# Altium PCB H7.PcbDoc (part 2 of 3)
Units mil, origin at the board's own origin, x right, y up, seen from the top; angles counter-clockwise.
Board outline 6496.06 x 3937.01 mil, 2 copper layers (Top Layer, Bottom Layer); 118 components, 150 nets, 635 pads, 5958 vias.
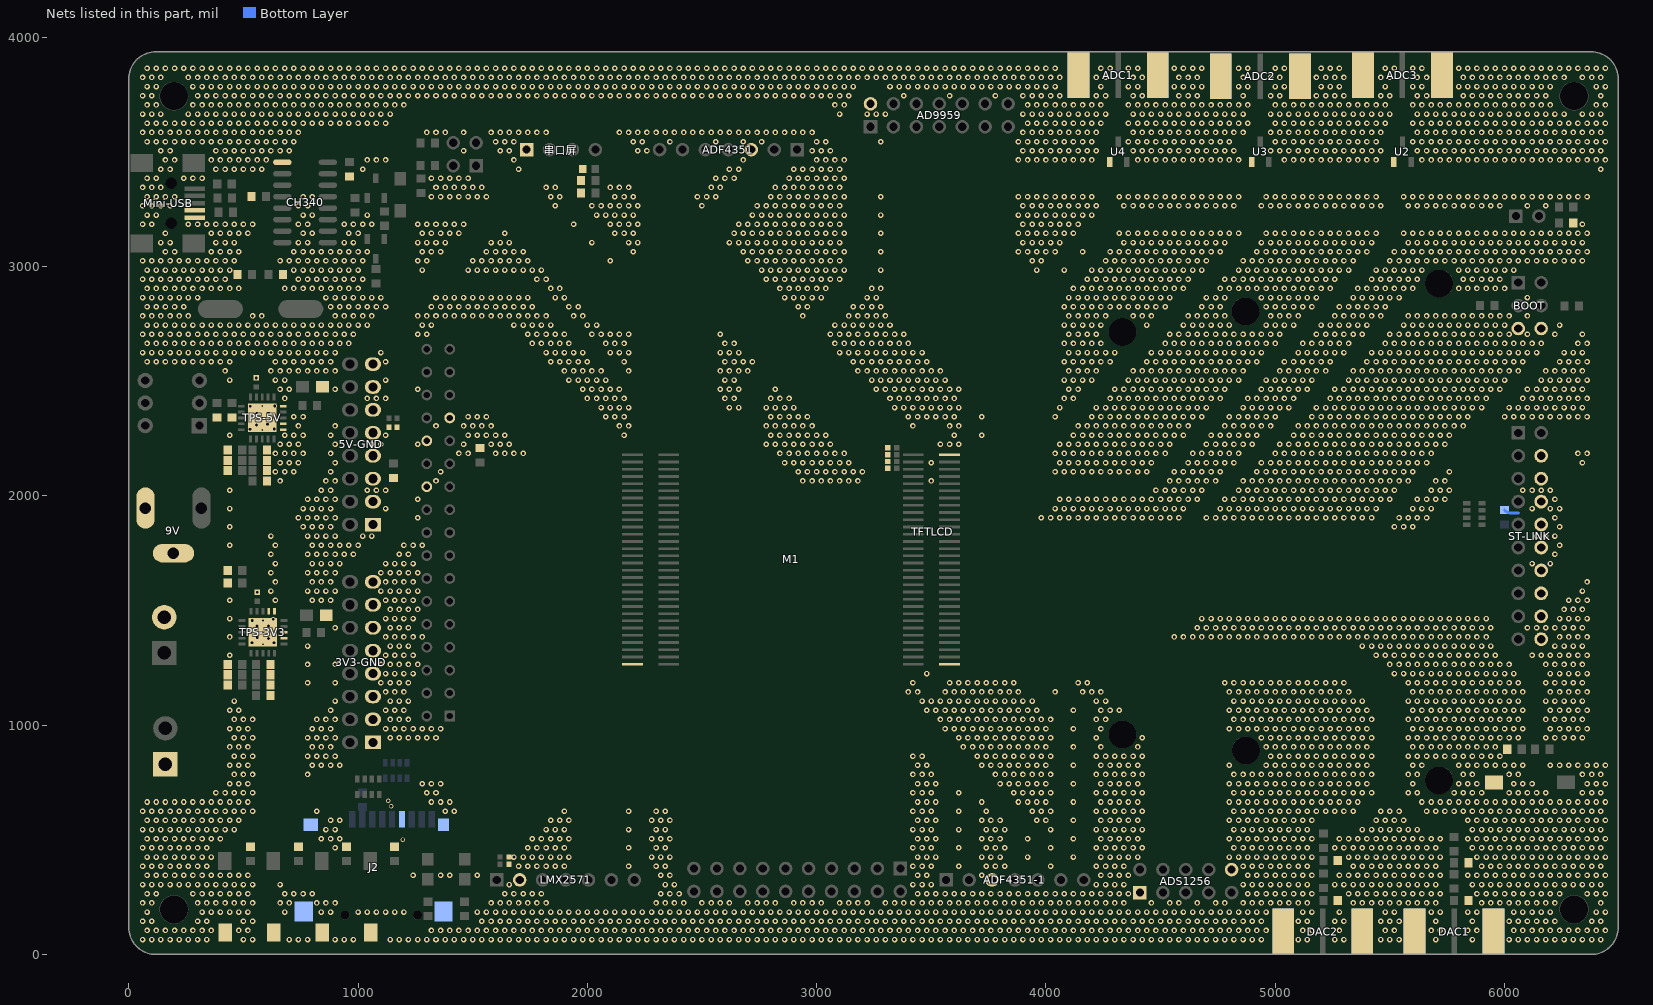
[diagram p2: the nets of this part, all layers, seen from the top]

## Via types
v1: diameter 24, hole 12, Top Layer to Bottom Layer, tented both sides, 5847 vias
v2: diameter 20, hole 12, Top Layer to Bottom Layer, tented both sides, 111 vias

## Nets (pads, with @x,y where several pads share a name; then routed paths per layer and width w, separated by ;. In a path a pad name is that pad's centre, name@x,y a point inside that pad or via, vN(x,y) a via of type N, cw(c..) or ccw(c..) an arc to the next point about the centre after c; other vN are vias at no path point) (continued)
GND: (continued)
  other v1: 60,65 100,65 140,65 180,65 220,65 260,65 300,65 340,65 500,65 540,65 700,65 740,65 780,65 900,65 940,65 980,65 1140,65 1180,65 1220,65 1260,65 1300,65 1340,65 1380,65 1420,65 1460,65 1500,65 1540,65 1580,65 1620,65 1660,65 1700,65 1740,65 1780,65 1820,65 1860,65 1900,65 1940,65 1980,65 2020,65 2060,65 2100,65 2140,65 2180,65 2220,65 2260,65 2300,65 2340,65 2380,65 2420,65 2460,65 2500,65 2540,65 2580,65 2620,65 2660,65 2700,65 2740,65 2780,65 2820,65 2860,65 2900,65 2940,65 2980,65 3020,65 3060,65 3100,65 3140,65 3180,65 3220,65 3260,65 3300,65 3340,65 3380,65 3420,65 3460,65 3500,65 3540,65 3580,65 3620,65 3660,65 3700,65 3740,65 3780,65 3820,65 3860,65 3900,65 3940,65 3980,65 4020,65 4060,65 4100,65 4140,65 4180,65 4220,65 4260,65 4300,65 4340,65 4380,65 4420,65 4460,65 4500,65 4540,65 4580,65 4620,65 4660,65 4700,65 4740,65 4780,65 4820,65 4860,65 4900,65 4940,65 5100,65 5140,65 5260,65 5300,65 5460,65 5500,65 5540,65 5700,65 5860,65 6020,65 6060,65 6100,65 6140,65 6180,65 6220,65 6260,65 6300,65 6340,65 6380,65 6420,65 80,105 120,105 160,105 200,105 240,105 280,105 320,105 360,105 480,105 520,105 1320,105 1360,105 1400,105 1440,105 1480,105 1520,105 1560,105 1600,105 1640,105 1680,105 1720,105 1760,105 1800,105 1840,105 1880,105 1920,105 1960,105 2000,105 2040,105 2080,105 2120,105 2160,105 2200,105 2240,105 2280,105 2320,105 2360,105 2400,105 2440,105 2480,105 2520,105 2560,105 2600,105 2640,105 2680,105 2720,105 2760,105 2800,105 2840,105 2880,105 2920,105 2960,105 3000,105 3040,105 3080,105 3120,105 3160,105 3200,105 3240,105 3280,105 3320,105 3360,105 3400,105 3440,105 3480,105 3520,105 3560,105 3600,105 3640,105 3680,105 3720,105 3760,105 3800,105 3840,105 3880,105 3920,105 3960,105 4000,105 4040,105 4080,105 4120,105 4160,105 4200,105 4240,105 4280,105 4320,105 4360,105 4400,105 4440,105 4480,105 4520,105 4560,105 4600,105 4640,105 4680,105 4720,105 4760,105 4800,105 4840,105 4880,105 4920,105 4960,105 5120,105 5160,105 5280,105 5480,105 5520,105 5680,105 5720,105 5840,105 5880,105 6040,105 6080,105 6120,105 6160,105 6200,105 6240,105 6280,105 6320,105 6360,105 6400,105 6440,105 60,145 100,145 300,145 340,145 500,145 540,145 1540,145 1580,145 1620,145 1660,145 1700,145 1740,145 1780,145 1820,145 1860,145 1900,145 1940,145 1980,145 2020,145 2060,145 2100,145 2140,145 2180,145 2220,145 2260,145 2300,145 2340,145 2380,145 2420,145 2460,145 2500,145 2540,145 2580,145 2620,145 2660,145 2700,145 2740,145 2780,145 2820,145 2860,145 2900,145 2940,145 2980,145 3020,145 3060,145 3100,145 3140,145 3180,145 3220,145 3260,145 3300,145 3340,145 3380,145 3420,145 3460,145 3500,145 3540,145 3580,145 3620,145 3660,145 3700,145 3740,145 3780,145 3820,145 3860,145 3900,145 3940,145 3980,145 4020,145 4060,145 4100,145 4140,145 4180,145 4220,145 4260,145 4300,145 4340,145 4380,145 4420,145 4460,145 4500,145 4540,145 4580,145 4620,145 4660,145 4700,145 4740,145 4780,145 4820,145 4860,145 4900,145 4940,145 5100,145 5140,145 5260,145 5300,145 5460,145 5500,145 5540,145 5700,145 5860,145 6020,145 6060,145 6100,145 6140,145 6180,145 6220,145 6380,145 6420,145 80,185 320,185 360,185 400,185 440,185 480,185 520,185 680,185 840,185 880,185 1000,185 1040,185 1080,185 1120,185 1160,185 1200,185 1520,185 1560,185 1600,185 1640,185 1680,185 1720,185 1760,185 1800,185 1840,185 1880,185 1920,185 1960,185 2000,185 2040,185 2080,185 2120,185 2160,185 2200,185 2240,185 2280,185 2320,185 2360,185 2400,185 2440,185 2480,185 2520,185 2560,185 2600,185 2640,185 2680,185 2720,185 2760,185 2800,185 2840,185 2880,185 2920,185 2960,185 3000,185 3040,185 3080,185 3120,185 3160,185 3200,185 3240,185 3280,185 3320,185 3360,185 3400,185 3440,185 3480,185 3520,185 3560,185 3600,185 3640,185 3680,185 3720,185 3760,185 3800,185 3840,185 3880,185 3920,185 3960,185 4000,185 4040,185 4080,185 4120,185 4160,185 4200,185 4240,185 4280,185 4320,185 4360,185 4400,185 4440,185 4480,185 4520,185 4560,185 4600,185 4640,185 4680,185 4720,185 4760,185 4800,185 4840,185 4880,185 4920,185 4960,185 5120,185 5160,185 5280,185 5480,185 5520,185 5680,185 5720,185 5840,185 5880,185 6040,185 6080,185 6120,185 6160,185 6200,185 6400,185 6440,185 60,225 100,225 300,225 340,225 380,225 420,225 460,225 500,225 540,225 660,225 700,225 820,225 860,225 900,225 1580,225 1620,225 1660,225 1700,225 1740,225 1780,225 1820,225 2300,225 2340,225 2380,225 2420,225 2500,225 2540,225 2580,225 2620,225 2700,225 2740,225 2780,225 2820,225 2900,225 2940,225 2980,225 3020,225 3100,225 3140,225 3180,225 3220,225 3300,225 3340,225 3380,225 3420,225 3460,225 3500,225 3540,225 3580,225 3620,225 3660,225 3700,225 3740,225 3780,225 3820,225 3860,225 3900,225 3940,225 3980,225 4020,225 4060,225 4100,225 4140,225 4180,225 4220,225 4260,225 4300,225 4340,225 4460,225 4540,225 4580,225 4660,225 4740,225 4780,225 4860,225 4900,225 4940,225 4980,225 5020,225 5060,225 5100,225 5140,225 5340,225 5380,225 5420,225 5460,225 5500,225 5540,225 5580,225 5620,225 5660,225 5700,225 5900,225 5940,225 5980,225 6020,225 6060,225 6100,225 6140,225 6180,225 6220,225 6420,225 80,265 120,265 280,265 320,265 360,265 400,265 440,265 480,265 520,265 680,265 720,265 760,265 800,265 1640,265 1680,265 1720,265 1760,265 1800,265 2320,265 2360,265 2400,265 3440,265 3480,265 3520,265 3560,265 3600,265 3640,265 3680,265 3720,265 3760,265 3800,265 3840,265 3880,265 3920,265 3960,265 4000,265 4040,265 4080,265 4120,265 4160,265 4200,265 4240,265 4280,265 4320,265 4360,265 4880,265 4920,265 4960,265 5000,265 5040,265 5080,265 5120,265 5160,265 5320,265 5360,265 5400,265 5440,265 5480,265 5520,265 5560,265 5600,265 5640,265 5680,265 5720,265 5880,265 5920,265 5960,265 6000,265 6040,265 6080,265 6120,265 6160,265 6200,265 6240,265 6360,265 6400,265 6440,265 60,305 100,305 140,305 180,305 220,305 260,305 300,305 340,305 380,305 420,305 460,305 500,305 540,305 660,305 1660,305 2340,305 2380,305 3420,305 3460,305 3500,305 4220,305 4260,305 4300,305 4340,305 4860,305 4900,305 4940,305 4980,305 5020,305 5060,305 5100,305 5140,305 5260,305 5300,305 5340,305 5380,305 5420,305 5460,305 5500,305 5540,305 5580,305 5620,305 5660,305 5700,305 5860,305 5900,305 5940,305 5980,305 6020,305 6060,305 6100,305 6140,305 6180,305 6220,305 6260,305 6300,305 6340,305 6380,305 6420,305 80,345 120,345 160,345 200,345 240,345 280,345 320,345 360,345 400,345 440,345 480,345 520,345 1240,345 1360,345 1400,345 1520,345 2320,345 2360,345 3440,345 3480,345 3720,345 4240,345 4280,345 4320,345 4360,345 4880,345 4920,345 4960,345 5000,345 5040,345 5080,345 5120,345 5160,345 5280,345 5320,345 5360,345 5400,345 5440,345 5480,345 5520,345 5560,345 5600,345 5640,345 5680,345 5720,345 5840,345 5880,345 5920,345 5960,345 6000,345 6040,345 6080,345 6120,345 6160,345 6200,345 6240,345 6280,345 6320,345 6360,345 6400,345 6440,345 60,385 100,385 140,385 180,385 220,385 260,385 300,385 340,385 1700,385 1740,385 1780,385 1820,385 1860,385 1900,385 2180,385 2300,385 2340,385 3420,385 3460,385 3500,385 3620,385 3740,385 3780,385 3820,385 4020,385 4220,385 4260,385 4300,385 4340,385 4860,385 4900,385 4940,385 4980,385 5020,385 5060,385 5100,385 5140,385 5340,385 5380,385 5420,385 5460,385 5500,385 5540,385 5580,385 5620,385 5660,385 5700,385 5900,385 5940,385 5980,385 6020,385 6060,385 6100,385 6140,385 6180,385 6220,385 6260,385 6300,385 6340,385 6380,385 6420,385 80,425 120,425 160,425 200,425 240,425 280,425 320,425 360,425 1680,425 1720,425 1760,425 1800,425 1840,425 1880,425 1920,425 2280,425 2320,425 2360,425 3440,425 3480,425 3520,425 3720,425 3760,425 3800,425 3920,425 4120,425 4240,425 4280,425 4320,425 4360,425 4400,425 4800,425 4840,425 4880,425 4920,425 4960,425 5000,425 5040,425 5080,425 5120,425 5160,425 5320,425 5360,425 5400,425 5440,425 5480,425 5520,425 5560,425 5600,425 5640,425 5680,425 5720,425 5880,425 5920,425 5960,425 6000,425 6040,425 6080,425 6120,425 6160,425 6200,425 6240,425 6280,425 6320,425 6360,425 6400,425 6440,425 60,465 100,465 140,465 180,465 220,465 260,465 300,465 340,465 900,465 1740,465 1780,465 1820,465 1860,465 1900,465 2180,465 2300,465 2340,465 3420,465 3460,465 3500,465 3620,465 3740,465 3780,465 3820,465 4020,465 4220,465 4260,465 4300,465 4340,465 4380,465 4420,465 4820,465 4860,465 4900,465 4940,465 4980,465 5020,465 5060,465 5100,465 5140,465 5260,465 5300,465 5340,465 5380,465 5420,465 5460,465 5500,465 5540,465 5580,465 5620,465 5660,465 5700,465 5860,465 5900,465 5940,465 5980,465 6020,465 6060,465 6100,465 6140,465 6180,465 6220,465 6260,465 6300,465 6340,465 6380,465 6420,465 80,505 120,505 160,505 200,505 240,505 280,505 320,505 360,505 400,505 840,505 880,505 920,505 1760,505 1800,505 1840,505 1880,505 1920,505 2280,505 2320,505 2360,505 3440,505 3480,505 3520,505 3720,505 3760,505 3800,505 3920,505 4120,505 4240,505 4280,505 4320,505 4360,505 4400,505 4800,505 4840,505 4880,505 4920,505 4960,505 5000,505 5040,505 5080,505 5120,505 5160,505 5280,505 5320,505 5360,505 5400,505 5440,505 5480,505 5520,505 5560,505 5600,505 5640,505 5680,505 5720,505 5840,505 5880,505 5920,505 5960,505 6000,505 6040,505 6080,505 6120,505 6160,505 6200,505 6240,505 6280,505 6320,505 6360,505 6400,505 6440,505 60,545 100,545 140,545 180,545 220,545 260,545 300,545 340,545 380,545 420,545 460,545 860,545 900,545 1820,545 1860,545 1900,545 2180,545 2300,545 2340,545 3420,545 3460,545 3500,545 3620,545 3740,545 3780,545 3820,545 4020,545 4220,545 4260,545 4300,545 4340,545 4380,545 4420,545 4820,545 4860,545 4900,545 4940,545 4980,545 5020,545 5060,545 5100,545 5140,545 5380,545 5420,545 5460,545 5500,545 5540,545 5580,545 5620,545 5860,545 5900,545 5940,545 5980,545 6020,545 6060,545 6100,545 6140,545 6180,545 6220,545 6260,545 6300,545 6340,545 6380,545 6420,545 80,585 120,585 160,585 200,585 240,585 280,585 320,585 360,585 400,585 440,585 480,585 880,585 920,585 1840,585 1880,585 1920,585 2280,585 2320,585 2360,585 3440,585 3480,585 3520,585 3720,585 3760,585 3800,585 3960,585 4000,585 4120,585 4240,585 4280,585 4320,585 4360,585 4400,585 4800,585 4840,585 4880,585 4920,585 4960,585 5000,585 5040,585 5080,585 5120,585 5160,585 5440,585 5480,585 5520,585 5560,585 5840,585 5880,585 5920,585 5960,585 6000,585 6040,585 6080,585 6120,585 6160,585 6200,585 6240,585 6280,585 6320,585 6360,585 6400,585 6440,585 60,625 100,625 140,625 180,625 220,625 260,625 300,625 340,625 380,625 420,625 460,625 500,625 540,625 820,625 1380,625 1420,625 1900,625 2180,625 2300,625 2340,625 3420,625 3460,625 3500,625 3620,625 3740,625 3940,625 3980,625 4020,625 4220,625 4260,625 4300,625 4340,625 4380,625 4420,625 4820,625 4860,625 4900,625 4940,625 4980,625 5020,625 5060,625 5100,625 5140,625 5180,625 5220,625 5260,625 5300,625 5340,625 5460,625 5500,625 5540,625 5660,625 5700,625 5740,625 5780,625 5820,625 5860,625 5900,625 5940,625 5980,625 6020,625 6060,625 6100,625 6140,625 6180,625 6220,625 6260,625 6300,625 6340,625 6380,625 6420,625 80,665 120,665 160,665 200,665 240,665 280,665 320,665 360,665 400,665 440,665 480,665 520,665 1320,665 1360,665 1400,665 3440,665 3480,665 3520,665 3720,665 3880,665 3920,665 3960,665 4000,665 4120,665 4240,665 4280,665 4320,665 4360,665 4400,665 4800,665 4840,665 4880,665 4920,665 4960,665 5000,665 5040,665 5080,665 5120,665 5160,665 5200,665 5240,665 5280,665 5320,665 5360,665 5640,665 5680,665 5720,665 5760,665 5800,665 5840,665 5880,665 5920,665 5960,665 6000,665 6040,665 6080,665 6120,665 6160,665 6200,665 6240,665 6280,665 6320,665 6360,665 6400,665 6440,665 380,705 420,705 460,705 500,705 540,705 1300,705 1340,705 3420,705 3460,705 3500,705 3620,705 3860,705 3900,705 3940,705 3980,705 4020,705 4220,705 4260,705 4300,705 4340,705 4380,705 4420,705 4820,705 4860,705 4900,705 4940,705 4980,705 5020,705 5060,705 5100,705 5140,705 5180,705 5220,705 5260,705 5300,705 5340,705 5380,705 5420,705 5580,705 5620,705 5780,705 5820,705 5860,705 5900,705 6020,705 6060,705 6100,705 6140,705 6180,705 6340,705 6380,705 6420,705 440,745 480,745 520,745 1280,745 1320,745 1360,745 3440,745 3480,745 3520,745 3800,745 3840,745 3880,745 3920,745 3960,745 4000,745 4120,745 4240,745 4280,745 4320,745 4360,745 4400,745 4800,745 4840,745 4880,745 4920,745 4960,745 5000,745 5040,745 5080,745 5120,745 5160,745 5200,745 5240,745 5280,745 5320,745 5360,745 5400,745 5600,745 5800,745 5840,745 5880,745 6040,745 6080,745 6120,745 6360,745 6400,745 6440,745 460,785 500,785 540,785 780,785 3420,785 3460,785 3500,785 3780,785 3820,785 3860,785 3900,785 3940,785 3980,785 4020,785 4220,785 4260,785 4300,785 4340,785 4380,785 4420,785 4820,785 4860,785 4900,785 4940,785 4980,785 5020,785 5060,785 5100,785 5140,785 5180,785 5220,785 5260,785 5300,785 5340,785 5380,785 5420,785 5580,785 5620,785 5820,785 5860,785 6020,785 6060,785 6340,785 6380,785 6420,785 440,825 480,825 520,825 800,825 840,825 880,825 920,825 3440,825 3480,825 3720,825 3760,825 3800,825 3840,825 3880,825 3920,825 3960,825 4000,825 4120,825 4240,825 4280,825 4320,825 4360,825 4400,825 4800,825 4960,825 5000,825 5040,825 5080,825 5120,825 5160,825 5200,825 5240,825 5280,825 5320,825 5360,825 5400,825 5600,825 5640,825 5800,825 5840,825 5880,825 5920,825 5960,825 6000,825 6040,825 6080,825 6200,825 6240,825 6280,825 6320,825 6360,825 6400,825 6440,825 460,865 500,865 540,865 780,865 820,865 860,865 900,865 3420,865 3460,865 3700,865 3740,865 3780,865 3820,865 3860,865 3900,865 3940,865 3980,865 4020,865 4220,865 4260,865 4300,865 4340,865 4380,865 4420,865 4980,865 5020,865 5060,865 5100,865 5140,865 5180,865 5220,865 5260,865 5300,865 5340,865 5380,865 5420,865 5580,865 5620,865 5660,865 5700,865 5740,865 5780,865 5820,865 5860,865 5900,865 5940,865 5980,865 440,905 480,905 520,905 800,905 840,905 880,905 3640,905 3680,905 3720,905 3760,905 3800,905 3840,905 3880,905 3920,905 3960,905 4000,905 4120,905 4240,905 4400,905 4960,905 5000,905 5040,905 5080,905 5120,905 5160,905 5200,905 5240,905 5280,905 5320,905 5360,905 5400,905 5600,905 5640,905 5680,905 5720,905 5760,905 5800,905 5840,905 5880,905 5920,905 5960,905 460,945 500,945 540,945 780,945 820,945 860,945 900,945 1140,945 1180,945 1220,945 1260,945 1300,945 1340,945 3620,945 3660,945 3700,945 3740,945 3780,945 3820,945 3860,945 3900,945 3940,945 3980,945 4020,945 4220,945 4420,945 4940,945 4980,945 5020,945 5060,945 5100,945 5140,945 5180,945 5220,945 5260,945 5300,945 5340,945 5380,945 5420,945 5580,945 5620,945 5660,945 5700,945 5740,945 5780,945 5820,945 5860,945 5900,945 5940,945 5980,945 6020,945 6060,945 6180,945 6220,945 6260,945 6300,945 6340,945 440,985 480,985 520,985 800,985 840,985 880,985 1120,985 1160,985 1200,985 1240,985 1280,985 1320,985 1360,985 3560,985 3600,985 3640,985 3680,985 3720,985 3760,985 3800,985 3840,985 3880,985 3920,985 3960,985 4000,985 4120,985 4240,985 4800,985 4840,985 4880,985 4920,985 4960,985 5000,985 5040,985 5080,985 5120,985 5160,985 5200,985 5240,985 5280,985 5320,985 5360,985 5400,985 5600,985 5640,985 5680,985 5720,985 5760,985 5800,985 5840,985 5880,985 5920,985 5960,985 6000,985 6040,985 6080,985 6200,985 6240,985 6280,985 6320,985 6360,985 460,1025 500,1025 540,1025 820,1025 860,1025 900,1025 1140,1025 1180,1025 1220,1025 3540,1025 3580,1025 3620,1025 3660,1025 3700,1025 3740,1025 3780,1025 3820,1025 3860,1025 3900,1025 3940,1025 3980,1025 4020,1025 4220,1025 4260,1025 4820,1025 4860,1025 4900,1025 4940,1025 4980,1025 5020,1025 5060,1025 5100,1025 5140,1025 5180,1025 5220,1025 5260,1025 5300,1025 5340,1025 5380,1025 5420,1025 5580,1025 5620,1025 5660,1025 5700,1025 5740,1025 5780,1025 5820,1025 5860,1025 5900,1025 5940,1025 5980,1025 6020,1025 6060,1025 6180,1025 6220,1025 6260,1025 6300,1025 6340,1025 440,1065 480,1065 880,1065 1120,1065 1160,1065 1200,1065 3480,1065 3520,1065 3560,1065 3600,1065 3640,1065 3680,1065 3720,1065 3760,1065 3800,1065 3840,1065 3880,1065 3920,1065 3960,1065 4120,1065 4240,1065 4280,1065 4320,1065 4800,1065 4840,1065 4880,1065 4920,1065 4960,1065 5000,1065 5040,1065 5080,1065 5120,1065 5160,1065 5200,1065 5240,1065 5280,1065 5320,1065 5360,1065 5400,1065 5600,1065 5640,1065 5680,1065 5720,1065 5760,1065 5800,1065 5840,1065 5880,1065 5920,1065 5960,1065 6000,1065 6040,1065 6080,1065 6200,1065 6240,1065 6280,1065 6320,1065 6360,1065 460,1105 900,1105 1140,1105 1180,1105 1220,1105 3460,1105 3500,1105 3540,1105 3580,1105 3620,1105 3660,1105 3700,1105 3740,1105 3780,1105 3820,1105 3860,1105 3900,1105 3940,1105 4220,1105 4260,1105 4820,1105 4860,1105 4900,1105 4940,1105 4980,1105 5020,1105 5060,1105 5100,1105 5140,1105 5180,1105 5220,1105 5260,1105 5300,1105 5340,1105 5380,1105 5580,1105 5620,1105 5660,1105 5700,1105 5740,1105 5780,1105 5820,1105 5860,1105 5900,1105 5940,1105 5980,1105 6020,1105 6060,1105 6180,1105 6220,1105 6260,1105 6300,1105 6340,1105 1120,1145 1160,1145 1200,1145 3400,1145 3440,1145 3560,1145 3600,1145 3640,1145 3680,1145 3720,1145 3760,1145 3800,1145 3840,1145 3880,1145 4040,1145 4160,1145 4200,1145 4240,1145 4800,1145 4840,1145 4880,1145 4920,1145 4960,1145 5000,1145 5040,1145 5080,1145 5120,1145 5160,1145 5200,1145 5240,1145 5280,1145 5320,1145 5600,1145 5640,1145 5680,1145 5720,1145 5760,1145 5800,1145 5840,1145 5880,1145 5920,1145 5960,1145 6000,1145 6040,1145 6080,1145 6200,1145 6240,1145 6280,1145 6320,1145 6360,1145 780,1185 900,1185 1100,1185 1140,1185 1180,1185 1220,1185 3420,1185 3580,1185 3620,1185 3660,1185 3700,1185 3740,1185 3780,1185 3820,1185 3860,1185 4140,1185 4180,1185 4780,1185 4820,1185 4860,1185 4900,1185 4940,1185 4980,1185 5020,1185 5060,1185 5100,1185 5140,1185 5180,1185 5220,1185 5260,1185 5300,1185 5580,1185 5620,1185 5660,1185 5700,1185 5740,1185 5780,1185 5820,1185 5860,1185 5900,1185 5940,1185 5980,1185 6020,1185 6060,1185 6180,1185 6220,1185 6260,1185 6300,1185 6340,1185 1120,1225 1160,1225 1200,1225 1240,1225 3480,1225 5520,1225 5560,1225 5600,1225 5640,1225 5680,1225 5720,1225 5760,1225 5800,1225 5840,1225 5880,1225 5920,1225 5960,1225 6000,1225 6040,1225 6200,1225 6240,1225 6280,1225 6320,1225 6360,1225 780,1265 900,1265 1100,1265 1140,1265 1180,1265 1220,1265 1260,1265 5500,1265 5540,1265 5580,1265 5620,1265 5660,1265 5700,1265 5740,1265 5780,1265 5820,1265 5860,1265 5900,1265 5940,1265 5980,1265 6020,1265 6180,1265 6220,1265 6260,1265 6300,1265 6340,1265 440,1305 1120,1305 1160,1305 1200,1305 1240,1305 5440,1305 5480,1305 5520,1305 5560,1305 5600,1305 5640,1305 5680,1305 5720,1305 5760,1305 5800,1305 5840,1305 5880,1305 5920,1305 5960,1305 6120,1305 6160,1305 6200,1305 6240,1305 6280,1305 6320,1305 6360,1305 780,1345 1140,1345 1180,1345 1220,1345 5380,1345 5420,1345 5460,1345 5500,1345 5540,1345 5580,1345 5620,1345 5660,1345 5700,1345 5740,1345 5780,1345 5820,1345 5860,1345 5900,1345 5940,1345 6220,1345 6260,1345 6300,1345 6340,1345 440,1385 1120,1385 1160,1385 1200,1385 1240,1385 1280,1385 4560,1385 4600,1385 4640,1385 4680,1385 4720,1385 4760,1385 4800,1385 4840,1385 4880,1385 4920,1385 4960,1385 5000,1385 5040,1385 5080,1385 5120,1385 5160,1385 5200,1385 5240,1385 5280,1385 5320,1385 5360,1385 5400,1385 5440,1385 5480,1385 5520,1385 5560,1385 5600,1385 5640,1385 5680,1385 5720,1385 5760,1385 5800,1385 5840,1385 5880,1385 5920,1385 6240,1385 6280,1385 6320,1385 6360,1385 900,1425 1140,1425 1180,1425 1220,1425 4660,1425 4700,1425 4740,1425 4780,1425 4820,1425 4860,1425 4900,1425 4940,1425 4980,1425 5020,1425 5060,1425 5100,1425 5140,1425 5180,1425 5220,1425 5260,1425 5300,1425 5340,1425 5380,1425 5420,1425 5460,1425 5500,1425 5540,1425 5580,1425 5620,1425 5660,1425 5700,1425 5740,1425 5780,1425 5820,1425 5860,1425 5900,1425 5940,1425 6100,1425 6140,1425 6180,1425 6220,1425 6260,1425 6300,1425 6340,1425 440,1465 1120,1465 1160,1465 1200,1465 1240,1465 4680,1465 4720,1465 4760,1465 4800,1465 4840,1465 4880,1465 4920,1465 4960,1465 5000,1465 5040,1465 5080,1465 5120,1465 5160,1465 5200,1465 5240,1465 5280,1465 5320,1465 5360,1465 5400,1465 5440,1465 5480,1465 5520,1465 5560,1465 5600,1465 5640,1465 5680,1465 5720,1465 5760,1465 5800,1465 5840,1465 5880,1465 5920,1465 6240,1465 6280,1465 6320,1465 6360,1465 1140,1505 1180,1505 1220,1505 1260,1505 6260,1505 6300,1505 6340,1505 440,1545 640,1545 800,1545 840,1545 880,1545 1120,1545 1160,1545 1200,1545 1240,1545 6280,1545 6320,1545 6360,1545 620,1585 780,1585 820,1585 860,1585 900,1585 1100,1585 1140,1585 1180,1585 1220,1585 1260,1585 6340,1585 640,1625 800,1625 840,1625 880,1625 1120,1625 1160,1625 1200,1625 1240,1625 6360,1625 620,1665 780,1665 820,1665 860,1665 900,1665 1100,1665 1140,1665 1180,1665 1220,1665 1260,1665 640,1705 800,1705 840,1705 880,1705 920,1705 1120,1705 1160,1705 1200,1705 1240,1705 6120,1705 6200,1705 620,1745 780,1745 820,1745 860,1745 900,1745 940,1745 980,1745 1180,1745 1220,1745 6220,1745 440,1785 640,1785 800,1785 840,1785 880,1785 920,1785 960,1785 1000,1785 1200,1785 1240,1785 1280,1785 6240,1785 620,1825 780,1825 820,1825 860,1825 900,1825 1020,1825 1060,1825 6140,1825 6180,1825 6220,1825 440,1865 760,1865 800,1865 840,1865 880,1865 5520,1865 5560,1865 5600,1865 6240,1865 740,1905 780,1905 820,1905 860,1905 900,1905 1260,1905 3980,1905 4020,1905 4060,1905 4100,1905 4140,1905 4180,1905 4220,1905 4260,1905 4300,1905 4340,1905 4380,1905 4420,1905 4460,1905 4500,1905 4540,1905 4580,1905 4700,1905 4740,1905 4780,1905 4820,1905 4860,1905 4900,1905 4940,1905 4980,1905 5020,1905 5060,1905 5100,1905 5140,1905 5180,1905 5220,1905 5260,1905 5300,1905 5340,1905 5380,1905 5420,1905 5540,1905 5580,1905 5620,1905 5660,1905 6220,1905 440,1945 760,1945 800,1945 840,1945 880,1945 1120,1945 4040,1945 4080,1945 4120,1945 4160,1945 4200,1945 4240,1945 4280,1945 4320,1945 4360,1945 4400,1945 4440,1945 4480,1945 4520,1945 4560,1945 4600,1945 4760,1945 4800,1945 4840,1945 4880,1945 4920,1945 4960,1945 5000,1945 5040,1945 5080,1945 5120,1945 5160,1945 5200,1945 5240,1945 5280,1945 5320,1945 5360,1945 5400,1945 5440,1945 5600,1945 5640,1945 5680,1945 6120,1945 6200,1945 6240,1945 780,1985 820,1985 860,1985 900,1985 1260,1985 4060,1985 4100,1985 4140,1985 4180,1985 4220,1985 4260,1985 4300,1985 4340,1985 4380,1985 4420,1985 4460,1985 4500,1985 4540,1985 4580,1985 4620,1985 4660,1985 4780,1985 4820,1985 4860,1985 4900,1985 4940,1985 4980,1985 5020,1985 5060,1985 5100,1985 5140,1985 5180,1985 5220,1985 5260,1985 5300,1985 5340,1985 5380,1985 5420,1985 5460,1985 5500,1985 5620,1985 5660,1985 5700,1985 5740,1985 6220,1985 440,2025 840,2025 880,2025 1040,2025 1080,2025 1120,2025 4480,2025 4520,2025 4560,2025 4600,2025 4640,2025 4680,2025 4840,2025 4880,2025 4920,2025 4960,2025 5000,2025 5040,2025 5080,2025 5120,2025 5160,2025 5200,2025 5240,2025 5280,2025 5320,2025 5360,2025 5400,2025 5440,2025 5480,2025 5520,2025 5680,2025 5720,2025 5760,2025 6080,2025 6120,2025 6160,2025 6200,2025 660,2065 860,2065 900,2065 1340,2065 2940,2065 2980,2065 3020,2065 3060,2065 3100,2065 3140,2065 3180,2065 3500,2065 4540,2065 4580,2065 4620,2065 4660,2065 4700,2065 4740,2065 4860,2065 4900,2065 4940,2065 4980,2065 5020,2065 5060,2065 5100,2065 5140,2065 5180,2065 5220,2065 5260,2065 5300,2065 5340,2065 5380,2065 5420,2065 5460,2065 5500,2065 5540,2065 5580,2065 5700,2065 5740,2065 640,2105 680,2105 720,2105 880,2105 1360,2105 2920,2105 2960,2105 3000,2105 3040,2105 3080,2105 3120,2105 3160,2105 3200,2105 4040,2105 4080,2105 4120,2105 4160,2105 4200,2105 4240,2105 4280,2105 4320,2105 4360,2105 4400,2105 4440,2105 4560,2105 4600,2105 4640,2105 4680,2105 4720,2105 4760,2105 4920,2105 4960,2105 5000,2105 5040,2105 5080,2105 5120,2105 5160,2105 5200,2105 5240,2105 5280,2105 5320,2105 5360,2105 5400,2105 5440,2105 5480,2105 5520,2105 5560,2105 5600,2105 5760,2105 660,2145 700,2145 740,2145 900,2145 2860,2145 2900,2145 2940,2145 2980,2145 3020,2145 3060,2145 3100,2145 3140,2145 3500,2145 4060,2145 4100,2145 4140,2145 4180,2145 4220,2145 4260,2145 4300,2145 4340,2145 4380,2145 4420,2145 4460,2145 4620,2145 4660,2145 4700,2145 4740,2145 4780,2145 4820,2145 4940,2145 4980,2145 5020,2145 5060,2145 5100,2145 5140,2145 5180,2145 5220,2145 5260,2145 5300,2145 5340,2145 5380,2145 5420,2145 5460,2145 5500,2145 5540,2145 5580,2145 5620,2145 5660,2145 6340,2145 640,2185 680,2185 720,2185 760,2185 880,2185 1440,2185 1480,2185 1600,2185 1640,2185 1680,2185 1720,2185 2840,2185 2880,2185 2920,2185 2960,2185 3000,2185 3040,2185 3080,2185 3120,2185 4040,2185 4080,2185 4120,2185 4160,2185 4200,2185 4240,2185 4280,2185 4320,2185 4360,2185 4400,2185 4440,2185 4480,2185 4520,2185 4640,2185 4680,2185 4720,2185 4760,2185 4800,2185 4840,2185 5000,2185 5040,2185 5080,2185 5120,2185 5160,2185 5200,2185 5240,2185 5280,2185 5320,2185 5360,2185 5400,2185 5440,2185 5480,2185 5520,2185 5560,2185 5600,2185 5640,2185 5680,2185 6320,2185 6360,2185 660,2225 700,2225 740,2225 900,2225 1060,2225 1100,2225 1260,2225 1460,2225 1580,2225 1620,2225 1660,2225 2780,2225 2820,2225 2860,2225 2900,2225 2940,2225 2980,2225 3020,2225 3060,2225 3540,2225 3580,2225 3620,2225 4060,2225 4100,2225 4140,2225 4180,2225 4220,2225 4260,2225 4300,2225 4340,2225 4380,2225 4420,2225 4460,2225 4500,2225 4540,2225 4700,2225 4740,2225 4780,2225 4820,2225 4860,2225 4900,2225 5020,2225 5060,2225 5100,2225 5140,2225 5180,2225 5220,2225 5260,2225 5300,2225 5340,2225 5380,2225 5420,2225 5460,2225 5500,2225 5540,2225 5580,2225 5620,2225 5660,2225 5700,2225 5740,2225 440,2265 680,2265 720,2265 760,2265 880,2265 1120,2265 1480,2265 1520,2265 1560,2265 1600,2265 1640,2265 2160,2265 2800,2265 2840,2265 2880,2265 2920,2265 2960,2265 3000,2265 3040,2265 3600,2265 3720,2265 4120,2265 4160,2265 4200,2265 4240,2265 4280,2265 4320,2265 4360,2265 4400,2265 4440,2265 4480,2265 4520,2265 4560,2265 4600,2265 4720,2265 4760,2265 4800,2265 4840,2265 4880,2265 4920,2265 5080,2265 5120,2265 5160,2265 5200,2265 5240,2265 5280,2265 5320,2265 5360,2265 5400,2265 5440,2265 5480,2265 5520,2265 5560,2265 5600,2265 5640,2265 5680,2265 5720,2265 5760,2265 740,2305 900,2305 1340,2305 1460,2305 1500,2305 1540,2305 1580,2305 2140,2305 2180,2305 2780,2305 2820,2305 2860,2305 2900,2305 2940,2305 2980,2305 3420,2305 3580,2305 3620,2305 4140,2305 4180,2305 4220,2305 4260,2305 4300,2305 4340,2305 4380,2305 4420,2305 4460,2305 4500,2305 4540,2305 4580,2305 4620,2305 4780,2305 4820,2305 4860,2305 4900,2305 4940,2305 4980,2305 5100,2305 5140,2305 5180,2305 5220,2305 5260,2305 5300,2305 5340,2305 5380,2305 5420,2305 5460,2305 5500,2305 5540,2305 5580,2305 5620,2305 5660,2305 5700,2305 5740,2305 5780,2305 5820,2305 720,2345 760,2345 1480,2345 1520,2345 1560,2345 2080,2345 2120,2345 2160,2345 2800,2345 2840,2345 2880,2345 2920,2345 2960,2345 3400,2345 3440,2345 3480,2345 3520,2345 3560,2345 3600,2345 3720,2345 4040,2345 4200,2345 4240,2345 4280,2345 4320,2345 4360,2345 4400,2345 4440,2345 4480,2345 4520,2345 4560,2345 4600,2345 4640,2345 4680,2345 4800,2345 4840,2345 4880,2345 4920,2345 4960,2345 5000,2345 5160,2345 5200,2345 5240,2345 5280,2345 5320,2345 5360,2345 5400,2345 5440,2345 5480,2345 5520,2345 5560,2345 5600,2345 5640,2345 5680,2345 5720,2345 5760,2345 5800,2345 5840,2345 6000,2345 6040,2345 6080,2345 6120,2345 6160,2345 6200,2345 6240,2345 6280,2345 6320,2345 6360,2345 2060,2385 2100,2385 2140,2385 2180,2385 2620,2385 2660,2385 2780,2385 2820,2385 2860,2385 2900,2385 3340,2385 3380,2385 3420,2385 3460,2385 3500,2385 3540,2385 3580,2385 3620,2385 4060,2385 4220,2385 4260,2385 4300,2385 4340,2385 4380,2385 4420,2385 4460,2385 4500,2385 4540,2385 4580,2385 4620,2385 4660,2385 4700,2385 4860,2385 4900,2385 4940,2385 4980,2385 5020,2385 5060,2385 5180,2385 5220,2385 5260,2385 5300,2385 5340,2385 5380,2385 5420,2385 5460,2385 5500,2385 5540,2385 5580,2385 5620,2385 5660,2385 5700,2385 5740,2385 5780,2385 5820,2385 5860,2385 5900,2385 6020,2385 6060,2385 6100,2385 6140,2385 6180,2385 6220,2385 6260,2385 6300,2385 6340,2385 680,2425 1040,2425 1080,2425 1120,2425 2000,2425 2040,2425 2080,2425 2120,2425 2160,2425 2600,2425 2640,2425 2800,2425 2840,2425 2880,2425 3320,2425 3360,2425 3400,2425 3440,2425 3480,2425 3520,2425 3560,2425 3600,2425 4080,2425 4120,2425 4280,2425 4320,2425 4360,2425 4400,2425 4440,2425 4480,2425 4520,2425 4560,2425 4600,2425 4640,2425 4680,2425 4720,2425 4760,2425 4880,2425 4920,2425 4960,2425 5000,2425 5040,2425 5080,2425 5240,2425 5280,2425 5320,2425 5360,2425 5400,2425 5440,2425 5480,2425 5520,2425 5560,2425 5600,2425 5640,2425 5680,2425 5720,2425 5760,2425 5800,2425 5840,2425 5880,2425 5920,2425 6080,2425 6120,2425 6160,2425 6200,2425 6240,2425 6280,2425 6320,2425 6360,2425 660,2465 700,2465 900,2465 1260,2465 1980,2465 2020,2465 2060,2465 2100,2465 2140,2465 2580,2465 2620,2465 2660,2465 2820,2465 3260,2465 3300,2465 3340,2465 3380,2465 3420,2465 3460,2465 3500,2465 3540,2465 3580,2465 3620,2465 4100,2465 4140,2465 4300,2465 4340,2465 4380,2465 4420,2465 4460,2465 4500,2465 4540,2465 4580,2465 4620,2465 4660,2465 4700,2465 4740,2465 4780,2465 4940,2465 4980,2465 5020,2465 5060,2465 5100,2465 5140,2465 5260,2465 5300,2465 5340,2465 5380,2465 5420,2465 5460,2465 5500,2465 5540,2465 5580,2465 5620,2465 5660,2465 5700,2465 5740,2465 5780,2465 5820,2465 5860,2465 5900,2465 5940,2465 5980,2465 6100,2465 6140,2465 6180,2465 6220,2465 6260,2465 6300,2465 6340,2465 440,2505 640,2505 680,2505 1120,2505 1920,2505 1960,2505 2000,2505 2040,2505 2080,2505 2600,2505 2640,2505 3240,2505 3280,2505 3320,2505 3360,2505 3400,2505 3440,2505 3480,2505 3520,2505 3560,2505 4080,2505 4120,2505 4160,2505 4200,2505 4360,2505 4400,2505 4440,2505 4480,2505 4520,2505 4560,2505 4600,2505 4640,2505 4680,2505 4720,2505 4760,2505 4800,2505 4840,2505 4960,2505 5000,2505 5040,2505 5080,2505 5120,2505 5160,2505 5320,2505 5360,2505 5400,2505 5440,2505 5480,2505 5520,2505 5560,2505 5600,2505 5640,2505 5680,2505 5720,2505 5760,2505 5800,2505 5840,2505 5880,2505 5920,2505 5960,2505 6000,2505 6160,2505 6200,2505 6240,2505 6280,2505 6320,2505 6360,2505 420,2545 620,2545 660,2545 700,2545 740,2545 780,2545 820,2545 860,2545 900,2545 1900,2545 1940,2545 1980,2545 2020,2545 2060,2545 2180,2545 2580,2545 2620,2545 2660,2545 2700,2545 3180,2545 3220,2545 3260,2545 3300,2545 3340,2545 3380,2545 3420,2545 3460,2545 3500,2545 3540,2545 4100,2545 4140,2545 4180,2545 4220,2545 4380,2545 4420,2545 4460,2545 4500,2545 4540,2545 4580,2545 4620,2545 4660,2545 4700,2545 4740,2545 4780,2545 4820,2545 4860,2545 5020,2545 5060,2545 5100,2545 5140,2545 5180,2545 5220,2545 5340,2545 5380,2545 5420,2545 5460,2545 5500,2545 5540,2545 5580,2545 5620,2545 5660,2545 5700,2545 5740,2545 5780,2545 5820,2545 5860,2545 5900,2545 5940,2545 5980,2545 6020,2545 6060,2545 6180,2545 6220,2545 6260,2545 6300,2545 6340,2545 80,2585 120,2585 160,2585 200,2585 240,2585 280,2585 320,2585 360,2585 400,2585 440,2585 640,2585 680,2585 720,2585 760,2585 800,2585 840,2585 880,2585 1120,2585 1840,2585 1880,2585 1920,2585 1960,2585 2000,2585 2160,2585 2600,2585 2640,2585 2680,2585 2720,2585 3160,2585 3200,2585 3240,2585 3280,2585 3320,2585 3360,2585 3400,2585 3440,2585 3480,2585 4080,2585 4120,2585 4160,2585 4200,2585 4240,2585 4280,2585 4440,2585 4480,2585 4520,2585 4560,2585 4600,2585 4640,2585 4680,2585 4720,2585 4760,2585 4800,2585 4840,2585 4880,2585 4920,2585 5040,2585 5080,2585 5120,2585 5160,2585 5200,2585 5240,2585 5400,2585 5440,2585 5480,2585 5520,2585 5560,2585 5600,2585 5640,2585 5680,2585 5720,2585 5760,2585 5800,2585 5840,2585 5880,2585 5920,2585 5960,2585 6000,2585 6040,2585 6080,2585 6240,2585 6280,2585 6320,2585 6360,2585 60,2625 100,2625 140,2625 180,2625 220,2625 260,2625 300,2625 340,2625 380,2625 420,2625 460,2625 500,2625 540,2625 580,2625 620,2625 660,2625 700,2625 740,2625 780,2625 820,2625 860,2625 900,2625 1100,2625 1820,2625 1860,2625 1900,2625 1940,2625 1980,2625 2100,2625 2140,2625 2180,2625 2580,2625 2620,2625 2660,2625 3100,2625 3140,2625 3180,2625 3220,2625 3260,2625 3300,2625 3340,2625 3380,2625 3420,2625 3460,2625 4100,2625 4140,2625 4180,2625 4220,2625 4260,2625 4300,2625 4460,2625 4500,2625 4540,2625 4580,2625 4620,2625 4660,2625 4700,2625 4740,2625 4780,2625 4820,2625 4860,2625 4900,2625 4940,2625 5100,2625 5140,2625 5180,2625 5220,2625 5260,2625 5300,2625 5420,2625 5460,2625 5500,2625 5540,2625 5580,2625 5620,2625 5660,2625 5700,2625 5740,2625 5780,2625 5820,2625 5860,2625 5900,2625 5940,2625 5980,2625 6020,2625 6060,2625 6100,2625 6140,2625 6260,2625 6300,2625 6340,2625 80,2665 120,2665 160,2665 200,2665 240,2665 280,2665 320,2665 360,2665 400,2665 440,2665 480,2665 520,2665 560,2665 600,2665 640,2665 680,2665 720,2665 760,2665 800,2665 840,2665 880,2665 920,2665 960,2665 1760,2665 1800,2665 1840,2665 1880,2665 1920,2665 2080,2665 2120,2665 2160,2665 2600,2665 2640,2665 3080,2665 3120,2665 3160,2665 3200,2665 3240,2665 3280,2665 3320,2665 3360,2665 3400,2665 4080,2665 4120,2665 4160,2665 4200,2665 4240,2665 4520,2665 4560,2665 4600,2665 4640,2665 4680,2665 4720,2665 4760,2665 4800,2665 4840,2665 4880,2665 4920,2665 4960,2665 5000,2665 5120,2665 5160,2665 5200,2665 5240,2665 5280,2665 5320,2665 5480,2665 5520,2665 5560,2665 5600,2665 5640,2665 5680,2665 5720,2665 5760,2665 5800,2665 5840,2665 5880,2665 5920,2665 5960,2665 6000,2665 6040,2665 6080,2665 6120,2665 6160,2665 6320,2665 6360,2665 60,2705 100,2705 140,2705 180,2705 220,2705 260,2705 300,2705 340,2705 380,2705 420,2705 460,2705 500,2705 540,2705 580,2705 620,2705 660,2705 700,2705 740,2705 780,2705 820,2705 860,2705 900,2705 940,2705 980,2705 1260,2705 1300,2705 1740,2705 1780,2705 1820,2705 1860,2705 1900,2705 2020,2705 2060,2705 2100,2705 2140,2705 2180,2705 2580,2705 3060,2705 3100,2705 3140,2705 3180,2705 3220,2705 3260,2705 3300,2705 3340,2705 3380,2705 4100,2705 4140,2705 4180,2705 4220,2705 4540,2705 4580,2705 4620,2705 4660,2705 4700,2705 4740,2705 4780,2705 4820,2705 4860,2705 4900,2705 4940,2705 4980,2705 5020,2705 5180,2705 5220,2705 5260,2705 5300,2705 5340,2705 5380,2705 5500,2705 5540,2705 5580,2705 5620,2705 5660,2705 5700,2705 5740,2705 5780,2705 5820,2705 5860,2705 5900,2705 5940,2705 5980,2705 6020,2705 6100,2705 6220,2705 6340,2705 80,2745 120,2745 160,2745 200,2745 240,2745 280,2745 320,2745 360,2745 400,2745 440,2745 480,2745 520,2745 560,2745 600,2745 640,2745 680,2745 720,2745 760,2745 800,2745 840,2745 880,2745 920,2745 960,2745 1000,2745 1040,2745 1280,2745 1320,2745 1680,2745 1720,2745 1760,2745 1800,2745 1840,2745 2000,2745 2040,2745 3080,2745 3120,2745 3160,2745 3200,2745 3240,2745 3280,2745 3320,2745 4080,2745 4120,2745 4160,2745 4200,2745 4240,2745 4440,2745 4600,2745 4640,2745 4680,2745 4720,2745 4760,2745 4800,2745 4960,2745 5000,2745 5040,2745 5080,2745 5200,2745 5240,2745 5280,2745 5320,2745 5360,2745 5400,2745 5560,2745 5600,2745 5640,2745 5680,2745 5720,2745 5760,2745 5800,2745 5840,2745 5880,2745 5920,2745 5960,2745 6000,2745 6240,2745 60,2785 100,2785 140,2785 180,2785 220,2785 260,2785 540,2785 580,2785 900,2785 940,2785 980,2785 1020,2785 1060,2785 1260,2785 1300,2785 1340,2785 1380,2785 1420,2785 1460,2785 1500,2785 1540,2785 1580,2785 1620,2785 1660,2785 1700,2785 1740,2785 1780,2785 1820,2785 1940,2785 1980,2785 2940,2785 3140,2785 3180,2785 3220,2785 3260,2785 3300,2785 4100,2785 4140,2785 4180,2785 4220,2785 4260,2785 4380,2785 4420,2785 4460,2785 4620,2785 4660,2785 4700,2785 4740,2785 4780,2785 4980,2785 5020,2785 5060,2785 5100,2785 5260,2785 5300,2785 5340,2785 5380,2785 5420,2785 5460,2785 5580,2785 5620,2785 5660,2785 5700,2785 5740,2785 5780,2785 5820,2785 5860,2785 5900,2785 5940,2785 5980,2785 6020,2785 6100,2785 80,2825 120,2825 160,2825 200,2825 240,2825 880,2825 920,2825 960,2825 1000,2825 1040,2825 1080,2825 1120,2825 1320,2825 1360,2825 1400,2825 1440,2825 1480,2825 1520,2825 1560,2825 1600,2825 1640,2825 1680,2825 1720,2825 1760,2825 1920,2825 1960,2825 2920,2825 2960,2825 3160,2825 3200,2825 3240,2825 3280,2825 4080,2825 4120,2825 4160,2825 4200,2825 4240,2825 4280,2825 4320,2825 4360,2825 4400,2825 4440,2825 4480,2825 4520,2825 4680,2825 4720,2825 4760,2825 4960,2825 5000,2825 5040,2825 5080,2825 5120,2825 5160,2825 5280,2825 5320,2825 5360,2825 5400,2825 5440,2825 5480,2825 60,2865 100,2865 140,2865 180,2865 220,2865 260,2865 300,2865 860,2865 900,2865 940,2865 980,2865 1020,2865 1060,2865 1100,2865 1340,2865 1380,2865 1420,2865 1460,2865 1500,2865 1540,2865 1580,2865 1620,2865 1660,2865 1700,2865 1740,2865 1860,2865 1900,2865 2860,2865 2900,2865 2940,2865 2980,2865 3020,2865 3220,2865 3260,2865 4100,2865 4140,2865 4180,2865 4220,2865 4260,2865 4300,2865 4340,2865 4380,2865 4420,2865 4460,2865 4500,2865 4540,2865 4700,2865 4740,2865 4780,2865 4940,2865 4980,2865 5020,2865 5060,2865 5100,2865 5140,2865 5180,2865 5340,2865 5380,2865 5420,2865 5460,2865 5500,2865 5540,2865 6100,2865 80,2905 120,2905 160,2905 200,2905 240,2905 280,2905 320,2905 360,2905 400,2905 440,2905 480,2905 680,2905 720,2905 760,2905 800,2905 840,2905 880,2905 920,2905 960,2905 1000,2905 1840,2905 1880,2905 2840,2905 2880,2905 2920,2905 2960,2905 3000,2905 3040,2905 3240,2905 3280,2905 4120,2905 4160,2905 4200,2905 4240,2905 4280,2905 4320,2905 4360,2905 4400,2905 4440,2905 4480,2905 4520,2905 4560,2905 4600,2905 4760,2905 4800,2905 4840,2905 4880,2905 4920,2905 4960,2905 5000,2905 5040,2905 5080,2905 5120,2905 5160,2905 5200,2905 5240,2905 5360,2905 5400,2905 5440,2905 5480,2905 5520,2905 5560,2905 5600,2905 5800,2905 5840,2905 5880,2905 5920,2905 5960,2905 6000,2905 60,2945 100,2945 140,2945 180,2945 220,2945 260,2945 300,2945 340,2945 380,2945 420,2945 740,2945 780,2945 820,2945 860,2945 900,2945 940,2945 980,2945 1020,2945 1780,2945 1820,2945 2780,2945 2820,2945 2860,2945 2900,2945 2940,2945 2980,2945 3020,2945 3060,2945 3100,2945 4180,2945 4220,2945 4260,2945 4300,2945 4340,2945 4380,2945 4420,2945 4460,2945 4500,2945 4540,2945 4580,2945 4620,2945 4780,2945 4820,2945 4860,2945 4900,2945 4940,2945 4980,2945 5020,2945 5060,2945 5100,2945 5140,2945 5180,2945 5220,2945 5260,2945 5420,2945 5460,2945 5500,2945 5540,2945 5580,2945 5620,2945 5820,2945 5860,2945 5900,2945 5940,2945 5980,2945 80,2985 120,2985 160,2985 200,2985 240,2985 280,2985 320,2985 360,2985 400,2985 440,2985 720,2985 760,2985 800,2985 840,2985 880,2985 920,2985 960,2985 1000,2985 1280,2985 1480,2985 1520,2985 1560,2985 1600,2985 1640,2985 1680,2985 1720,2985 1760,2985 1800,2985 2760,2985 2800,2985 2840,2985 2880,2985 2920,2985 2960,2985 3000,2985 3040,2985 3080,2985 3120,2985 3280,2985 3960,2985 4080,2985 4200,2985 4240,2985 4280,2985 4320,2985 4360,2985 4400,2985 4440,2985 4480,2985 4520,2985 4560,2985 4600,2985 4640,2985 4680,2985 4840,2985 4880,2985 4920,2985 4960,2985 5000,2985 5040,2985 5080,2985 5120,2985 5160,2985 5200,2985 5240,2985 5280,2985 5320,2985 5440,2985 5480,2985 5520,2985 5560,2985 5600,2985 5640,2985 5800,2985 5840,2985 5880,2985 5920,2985 5960,2985 6000,2985 6040,2985 60,3025 100,3025 140,3025 180,3025 220,3025 260,3025 300,3025 340,3025 380,3025 420,3025 460,3025 660,3025 700,3025 740,3025 780,3025 820,3025 860,3025 900,3025 940,3025 980,3025 1020,3025 1260,3025 1300,3025 1500,3025 1540,3025 1580,3025 1620,3025 1660,3025 1700,3025 1740,3025 2100,3025 2700,3025 2740,3025 2780,3025 2820,3025 2860,3025 2900,3025 2940,3025 2980,3025 3020,3025 3060,3025 3100,3025 3940,3025 3980,3025 4260,3025 4300,3025 4340,3025 4380,3025 4420,3025 4460,3025 4500,3025 4540,3025 4580,3025 4620,3025 4660,3025 4700,3025 4860,3025 4900,3025 4940,3025 4980,3025 5020,3025 5060,3025 5100,3025 5140,3025 5180,3025 5220,3025 5260,3025 5300,3025 5340,3025 5500,3025 5540,3025 5580,3025 5620,3025 5660,3025 5700,3025 5740,3025 5780,3025 5820,3025 5860,3025 5900,3025 5940,3025 5980,3025 6020,3025 6060,3025 6100,3025 6140,3025 6180,3025 6220,3025 6260,3025 6300,3025 6340,3025 160,3065 200,3065 360,3065 400,3065 440,3065 480,3065 720,3065 760,3065 800,3065 840,3065 880,3065 920,3065 960,3065 1000,3065 1040,3065 1280,3065 1320,3065 1360,3065 1560,3065 1600,3065 1640,3065 1680,3065 1720,3065 2200,3065 2680,3065 2720,3065 2760,3065 2800,3065 2840,3065 2880,3065 2920,3065 2960,3065 3000,3065 3040,3065 3080,3065 3120,3065 3280,3065 3880,3065 3920,3065 3960,3065 4000,3065 4040,3065 4160,3065 4280,3065 4320,3065 4360,3065 4400,3065 4440,3065 4480,3065 4520,3065 4560,3065 4600,3065 4640,3065 4680,3065 4720,3065 4760,3065 4920,3065 4960,3065 5000,3065 5040,3065 5080,3065 5120,3065 5160,3065 5200,3065 5240,3065 5280,3065 5320,3065 5360,3065 5400,3065 5520,3065 5560,3065 5600,3065 5640,3065 5680,3065 5720,3065 5760,3065 5800,3065 5840,3065 5880,3065 5920,3065 5960,3065 6000,3065 6040,3065 6080,3065 6120,3065 6160,3065 6200,3065 6240,3065 6280,3065 6320,3065 6360,3065 140,3105 180,3105 380,3105 420,3105 460,3105 740,3105 780,3105 940,3105 980,3105 1260,3105 1300,3105 1340,3105 1380,3105 1580,3105 1620,3105 1660,3105 2020,3105 2180,3105 2220,3105 2620,3105 2660,3105 2700,3105 2740,3105 2780,3105 2820,3105 2860,3105 2900,3105 2940,3105 2980,3105 3020,3105 3060,3105 3100,3105 3900,3105 3940,3105 3980,3105 4020,3105 4060,3105 4340,3105 4380,3105 4420,3105 4460,3105 4500,3105 4540,3105 4580,3105 4620,3105 4660,3105 4700,3105 4740,3105 4780,3105 4940,3105 4980,3105 5020,3105 5060,3105 5100,3105 5140,3105 5180,3105 5220,3105 5260,3105 5300,3105 5340,3105 5380,3105 5420,3105 5580,3105 5620,3105 5660,3105 5700,3105 5740,3105 5780,3105 5820,3105 5860,3105 5900,3105 5940,3105 5980,3105 6020,3105 6060,3105 6100,3105 6140,3105 6180,3105 6220,3105 6260,3105 6300,3105 6340,3105 160,3145 360,3145 400,3145 440,3145 480,3145 520,3145 760,3145 800,3145 960,3145 1000,3145 1280,3145 1320,3145 1360,3145 1400,3145 1440,3145 1640,3145 2120,3145 2160,3145 2200,3145 2640,3145 2680,3145 2720,3145 2760,3145 2800,3145 2840,3145 2880,3145 2920,3145 2960,3145 3000,3145 3040,3145 3080,3145 3120,3145 3280,3145 3880,3145 3920,3145 3960,3145 4000,3145 4040,3145 4080,3145 4120,3145 4320,3145 4360,3145 4400,3145 4440,3145 4480,3145 4520,3145 4560,3145 4600,3145 4640,3145 4680,3145 4720,3145 4760,3145 4800,3145 4840,3145 4960,3145 5000,3145 5040,3145 5080,3145 5120,3145 5160,3145 5200,3145 5240,3145 5280,3145 5320,3145 5360,3145 5400,3145 5440,3145 5560,3145 5600,3145 5640,3145 5680,3145 5720,3145 5760,3145 5800,3145 5840,3145 5880,3145 5920,3145 5960,3145 6000,3145 6040,3145 6080,3145 6120,3145 6160,3145 6200,3145 6240,3145 6280,3145 6320,3145 6360,3145 60,3185 100,3185 260,3185 300,3185 340,3185 380,3185 420,3185 460,3185 500,3185 540,3185 740,3185 780,3185 940,3185 980,3185 1020,3185 1060,3185 1260,3185 1300,3185 1340,3185 1380,3185 1420,3185 1460,3185 1940,3185 2100,3185 2140,3185 2180,3185 2220,3185 2660,3185 2700,3185 2740,3185 2780,3185 2820,3185 2860,3185 2900,3185 2940,3185 2980,3185 3020,3185 3060,3185 3100,3185 3900,3185 3940,3185 3980,3185 4020,3185 4060,3185 4100,3185 4140,3185 6340,3185 80,3225 120,3225 760,3225 800,3225 1040,3225 2040,3225 2080,3225 2120,3225 2160,3225 2200,3225 2720,3225 2760,3225 2800,3225 2840,3225 2880,3225 2920,3225 2960,3225 3000,3225 3040,3225 3080,3225 3120,3225 3280,3225 3880,3225 3920,3225 3960,3225 4000,3225 4040,3225 4080,3225 4120,3225 4160,3225 4200,3225 60,3265 100,3265 140,3265 180,3265 740,3265 780,3265 1860,3265 2020,3265 2060,3265 2100,3265 2140,3265 2180,3265 2220,3265 2500,3265 2740,3265 2780,3265 2820,3265 2860,3265 2900,3265 2940,3265 2980,3265 3020,3265 3060,3265 3100,3265 3900,3265 3940,3265 3980,3265 4020,3265 4060,3265 4100,3265 4140,3265 4180,3265 4220,3265 4340,3265 4380,3265 4420,3265 4460,3265 4500,3265 4540,3265 4580,3265 4620,3265 4660,3265 4700,3265 4740,3265 4780,3265 4820,3265 4940,3265 4980,3265 5020,3265 5060,3265 5100,3265 5140,3265 5180,3265 5220,3265 5260,3265 5300,3265 5340,3265 5380,3265 5420,3265 5460,3265 5580,3265 5620,3265 5660,3265 5700,3265 5740,3265 5780,3265 5820,3265 5860,3265 5900,3265 5940,3265 5980,3265 6100,3265 6180,3265 80,3305 120,3305 160,3305 200,3305 760,3305 800,3305 1320,3305 1360,3305 1400,3305 1440,3305 1480,3305 1520,3305 1560,3305 1840,3305 1880,3305 2120,3305 2160,3305 2200,3305 2480,3305 2520,3305 2560,3305 2800,3305 2840,3305 2880,3305 2920,3305 2960,3305 3000,3305 3040,3305 3080,3305 3120,3305 3280,3305 3880,3305 3920,3305 3960,3305 4000,3305 4040,3305 4080,3305 4120,3305 4160,3305 4200,3305 4320,3305 4360,3305 4400,3305 4440,3305 4480,3305 4520,3305 4560,3305 4600,3305 4640,3305 4680,3305 4720,3305 4760,3305 4800,3305 4840,3305 4960,3305 5000,3305 5040,3305 5080,3305 5120,3305 5160,3305 5200,3305 5240,3305 5280,3305 5320,3305 5360,3305 5400,3305 5440,3305 5560,3305 5600,3305 5640,3305 5680,3305 5720,3305 5760,3305 5800,3305 5840,3305 5880,3305 5920,3305 5960,3305 6000,3305 6040,3305 6080,3305 6120,3305 6160,3305 6200,3305 6240,3305 6280,3305 6320,3305 6360,3305 60,3345 100,3345 140,3345 1340,3345 1380,3345 1420,3345 1460,3345 1500,3345 1540,3345 1820,3345 1860,3345 2100,3345 2140,3345 2180,3345 2540,3345 2580,3345 2820,3345 2860,3345 2900,3345 2940,3345 2980,3345 3020,3345 3060,3345 3100,3345 80,3385 120,3385 240,3385 280,3385 320,3385 1320,3385 1360,3385 1400,3385 1440,3385 1480,3385 2560,3385 2600,3385 2640,3385 2880,3385 2920,3385 2960,3385 3000,3385 3040,3385 3080,3385 3120,3385 140,3425 180,3425 380,3425 420,3425 460,3425 500,3425 540,3425 580,3425 1020,3425 1700,3425 2620,3425 2660,3425 2900,3425 2940,3425 2980,3425 3020,3425 3060,3425 3100,3425 6420,3425 160,3465 200,3465 360,3465 400,3465 440,3465 480,3465 520,3465 560,3465 600,3465 1040,3465 1080,3465 1120,3465 1680,3465 2680,3465 3000,3465 3040,3465 3080,3465 3120,3465 3880,3465 3920,3465 3960,3465 4000,3465 4040,3465 4080,3465 4120,3465 4160,3465 4200,3465 4400,3465 4440,3465 4480,3465 4520,3465 4560,3465 4600,3465 4640,3465 4680,3465 4720,3465 4760,3465 4800,3465 4840,3465 5040,3465 5080,3465 5120,3465 5160,3465 5200,3465 5240,3465 5280,3465 5320,3465 5360,3465 5400,3465 5440,3465 5640,3465 5680,3465 5720,3465 5760,3465 5800,3465 5840,3465 5880,3465 5920,3465 5960,3465 6000,3465 6040,3465 6080,3465 6120,3465 6160,3465 6200,3465 6240,3465 6280,3465 6320,3465 6360,3465 6400,3465 6440,3465 140,3505 180,3505 380,3505 420,3505 460,3505 500,3505 540,3505 580,3505 620,3505 660,3505 700,3505 1460,3505 1620,3505 1660,3505 2220,3505 2260,3505 2980,3505 3020,3505 3060,3505 3900,3505 3940,3505 3980,3505 4020,3505 4060,3505 4100,3505 4140,3505 4180,3505 4220,3505 4380,3505 4420,3505 4460,3505 4500,3505 4540,3505 4580,3505 4620,3505 4660,3505 4700,3505 4740,3505 4780,3505 4820,3505 4980,3505 5020,3505 5060,3505 5100,3505 5140,3505 5180,3505 5220,3505 5260,3505 5300,3505 5340,3505 5380,3505 5420,3505 5460,3505 5620,3505 5660,3505 5700,3505 5740,3505 5780,3505 5820,3505 5860,3505 5900,3505 5940,3505 5980,3505 6020,3505 6060,3505 6100,3505 6140,3505 6180,3505 6220,3505 6260,3505 6300,3505 6340,3505 6380,3505 6420,3505 80,3545 120,3545 160,3545 200,3545 240,3545 280,3545 320,3545 360,3545 400,3545 440,3545 480,3545 520,3545 560,3545 600,3545 640,3545 680,3545 720,3545 1600,3545 1640,3545 1680,3545 2200,3545 2240,3545 2360,3545 2560,3545 2680,3545 2760,3545 3000,3545 3040,3545 3280,3545 3880,3545 3920,3545 3960,3545 4000,3545 4040,3545 4080,3545 4120,3545 4160,3545 4200,3545 4360,3545 4400,3545 4440,3545 4480,3545 4520,3545 4560,3545 4600,3545 4640,3545 4680,3545 4720,3545 4760,3545 4800,3545 5000,3545 5040,3545 5080,3545 5120,3545 5160,3545 5200,3545 5240,3545 5280,3545 5320,3545 5360,3545 5400,3545 5440,3545 5600,3545 5640,3545 5680,3545 5720,3545 5760,3545 5800,3545 5840,3545 5880,3545 5920,3545 5960,3545 6000,3545 6040,3545 6080,3545 6120,3545 6160,3545 6200,3545 6240,3545 6280,3545 6320,3545 6360,3545 6400,3545 6440,3545 60,3585 100,3585 140,3585 180,3585 220,3585 260,3585 300,3585 340,3585 380,3585 420,3585 460,3585 500,3585 540,3585 580,3585 620,3585 660,3585 700,3585 740,3585 1300,3585 1340,3585 1380,3585 1460,3585 1580,3585 1620,3585 1660,3585 1700,3585 1740,3585 1780,3585 1820,3585 2140,3585 2180,3585 2220,3585 2260,3585 2300,3585 2340,3585 2380,3585 2420,3585 2460,3585 2500,3585 2540,3585 2580,3585 2620,3585 2660,3585 2700,3585 2740,3585 2780,3585 2820,3585 2860,3585 2900,3585 2940,3585 2980,3585 3900,3585 3940,3585 3980,3585 4020,3585 4060,3585 4100,3585 4140,3585 4180,3585 4220,3585 4380,3585 4420,3585 4460,3585 4500,3585 4540,3585 4580,3585 4620,3585 4660,3585 4700,3585 4740,3585 4780,3585 4820,3585 4860,3585 4980,3585